# Altium PCB ALCT_MEZ_LX100.PcbDoc (part 4 of 10) (continued)
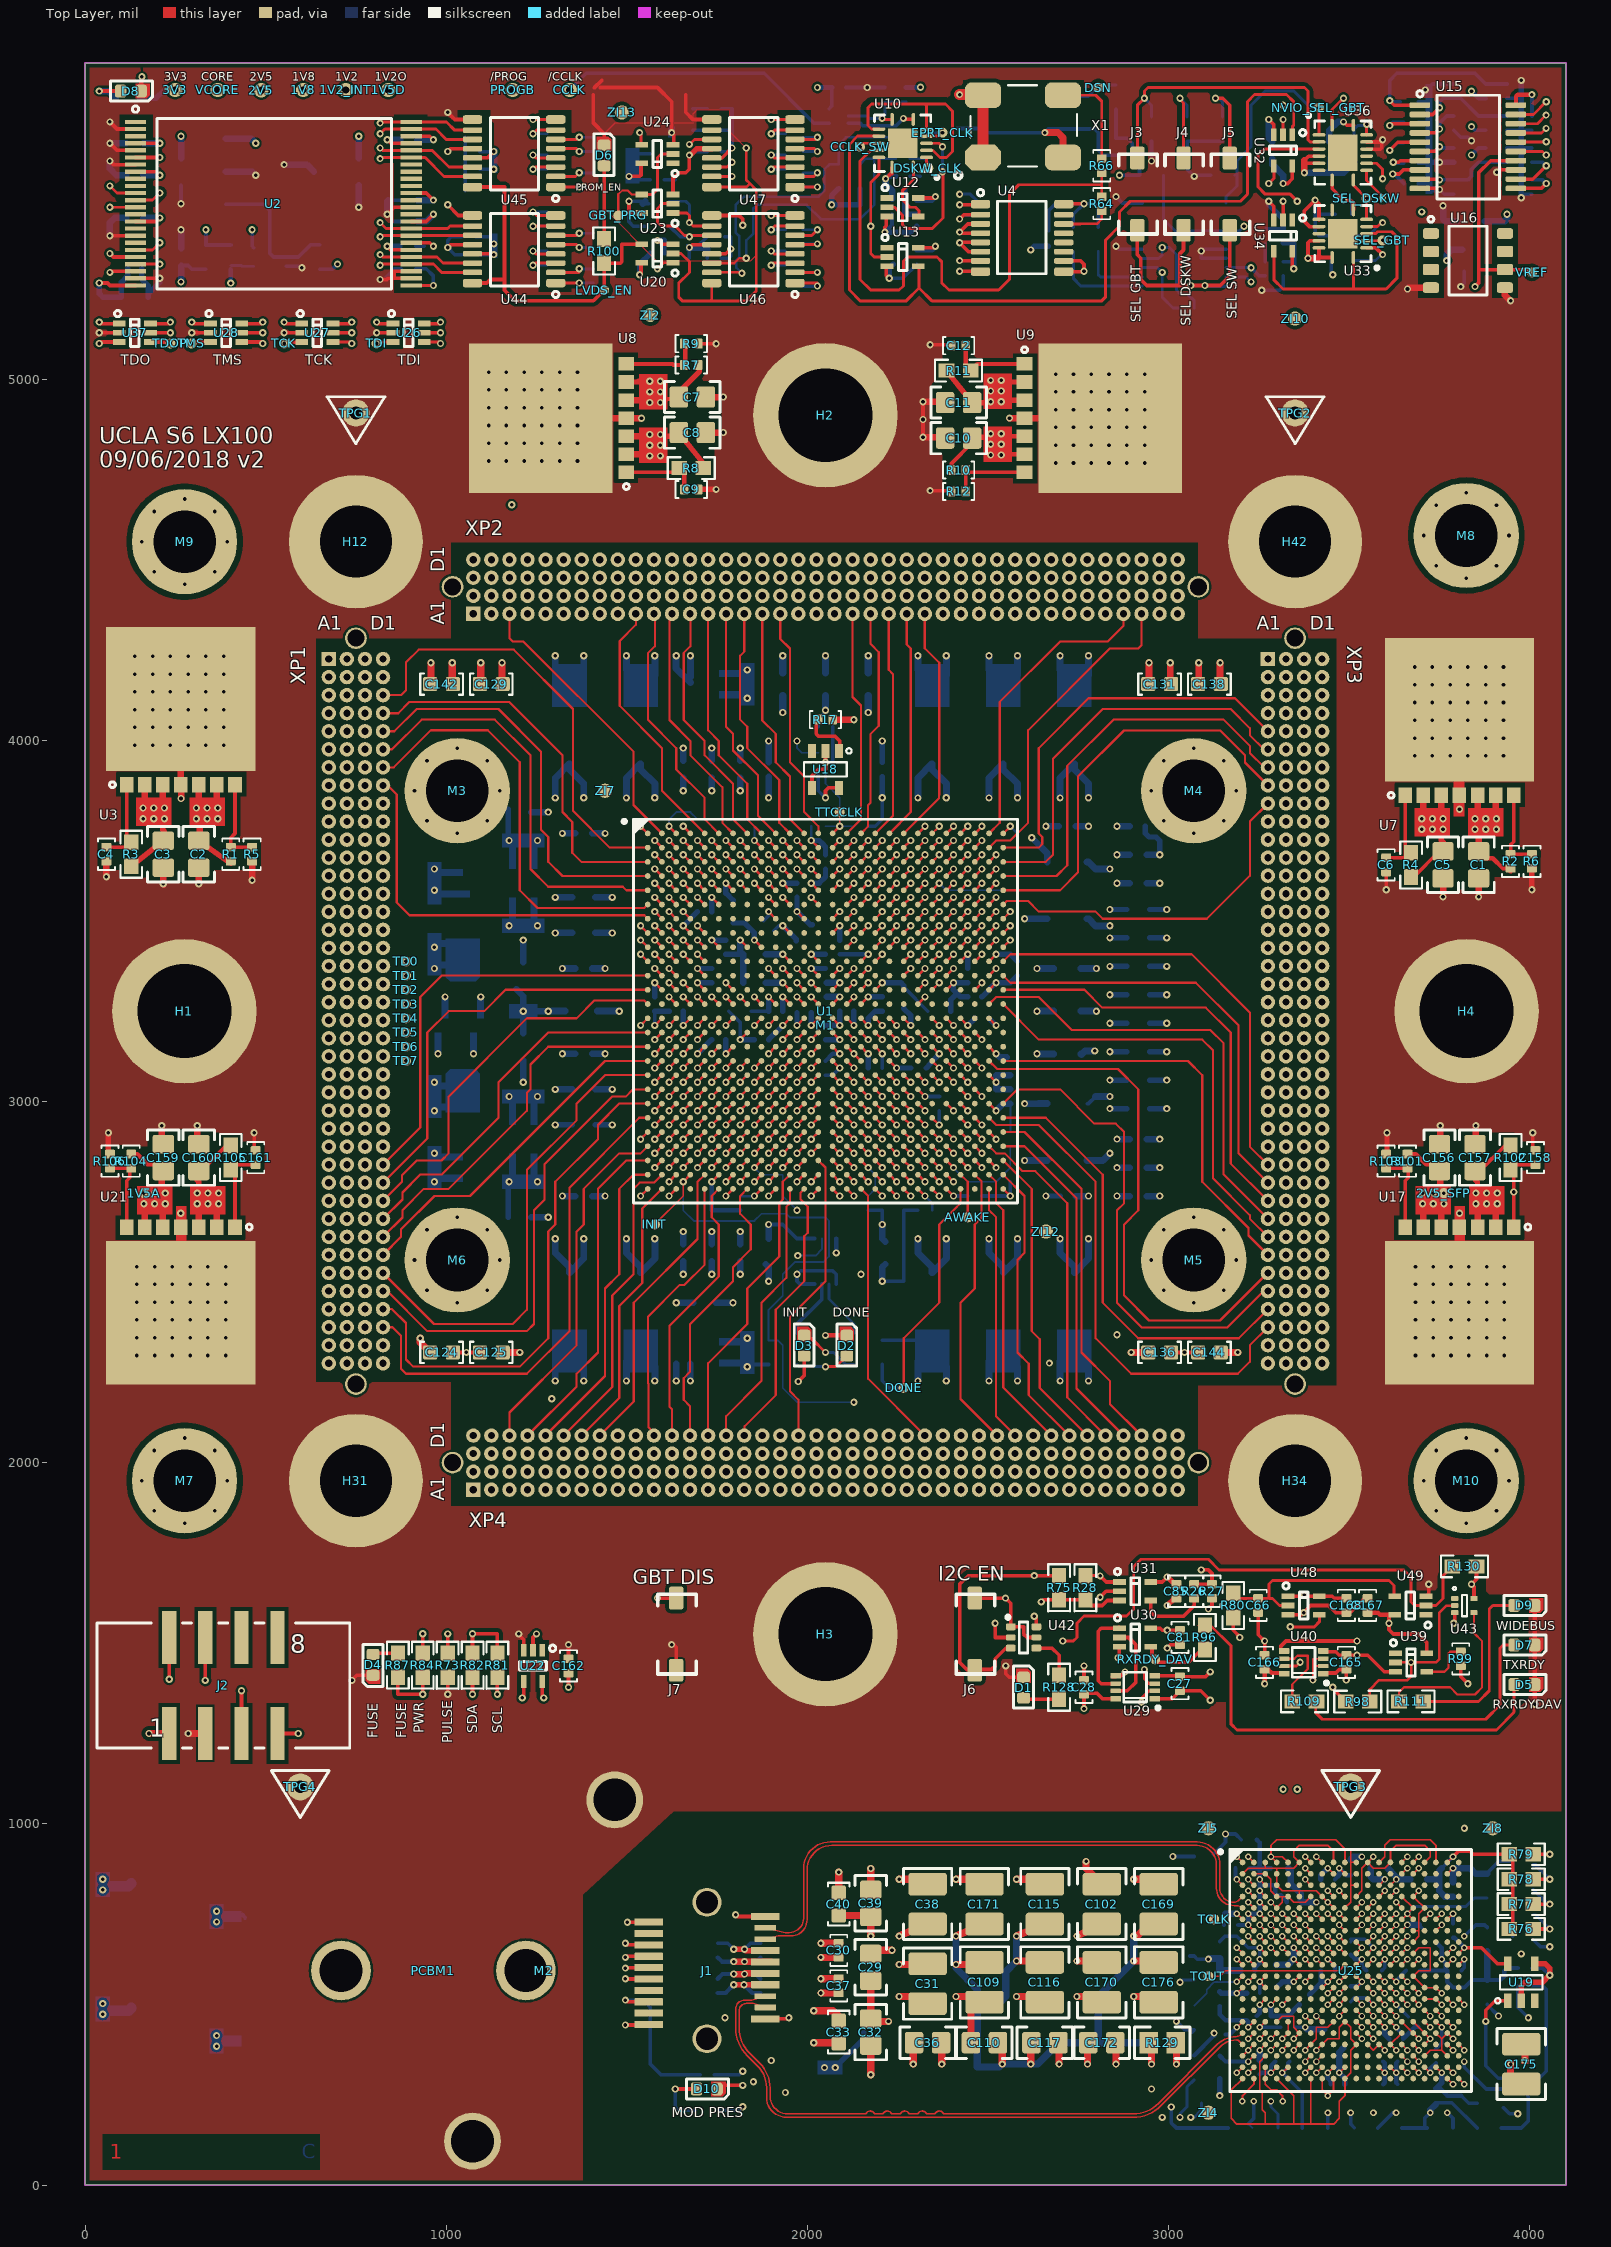
[diagram p0: Top Layer view]
## Nets (pads, with @x,y where several pads share a name; then routed paths per layer and width w, separated by ;. In a path a pad name is that pad's centre, name@x,y a point inside that pad or via, vN(x,y) a via of type N, cw(c..) or ccw(c..) an arc to the next point about the centre after c; other vN are vias at no path point) (continued)
  Top Layer w5: v2@3204.72,231.69 3204.72,247.44 3236.22,278.94 U25.Y2@3236.22,294.69 ; U25.Y3@3267.72,294.69 3267.72,278.94 3283.46,263.19 3299.21,263.19 3314.96,247.44 v7@3314.96,231.69 ; v2(3283.46,751.38) U25.F4@3299.21,735.63 ; U25.A6@3362.2,893.11 3346.46,908.86 3346.46,924.61 3362.2,940.35 3440.95,940.35 3456.69,924.61 U25.A9@3456.69,893.11 ; v2(3377.95,719.88) U25.G7@3393.7,704.13 ; U25.Y8@3425.2,294.69 3425.2,263.19 v2(3440.95,247.44) 3456.69,263.19 U25.Y9@3456.69,294.69 ; U25.R11@3519.69,452.17 v2(3535.43,436.42) ; U25.U12@3551.18,389.17 3566.93,373.43 U25.U13@3582.68,389.17 v2(3598.43,373.43) ; U25.P12@3551.18,483.66 v2(3566.93,467.91) ; U25.A14@3614.17,893.11 3614.17,924.61 3629.92,940.35 3708.66,940.35 3724.41,924.61 3724.41,908.86 U25.A17@3708.66,893.11 ; U25.R15@3645.67,452.17 U25.T16@3677.17,420.67 v2(3692.91,404.92) ; U25.N15@3645.67,515.16 v2(3661.42,499.41)
  Mid-Layer 2 w5: v2(3440.95,247.44) 3472.44,247.44 v2(3598.43,373.43) ; v2(3661.42,499.41) 3692.91,467.91 v2(3755.91,530.91) ; v2(3692.91,404.92) 3724.41,373.43 3755.91,373.43 v2(3787.4,404.92)
  Mid-Layer 4 w4: v2(3314.96,404.92) 3330.71,389.17 3330.71,341.93 ; v2(3377.95,373.43) 3346.46,341.93 3330.71,341.93 ; v2(3377.95,719.88) 3425.2,719.88 3425.2,767.13 v2(3440.95,782.87) ; v2(3440.95,247.44) 3409.45,278.94 3362.2,278.94 3330.71,310.43 3330.71,341.93
  Mid-Layer 4 w5: v2(3598.43,373.43) 3661.42,436.42 ; v2(3661.42,499.41) 3661.42,436.42 ; v2(3661.42,751.38) 3677.17,751.38 3724.41,704.13 3724.41,562.4 v2(3755.91,530.91) ; v2(3692.91,404.92) 3661.42,436.42
  Mid-Layer 4 w15: v7@3314.96,231.69 3425.2,231.69 v2(3440.95,247.44)
  Mid-Layer 6 w4: v2(3283.46,751.38) 3314.96,782.87 3314.96,814.37 ; 3314.96,877.36 3314.96,893.11 ; v2(3440.95,782.87) 3409.45,814.37 3314.96,814.37 ; v2(3566.93,908.86) 3551.18,924.61 3535.43,940.35 3330.71,940.35 3314.96,924.61 3314.96,893.11 ; 3314.96,814.37 3314.96,893.11
  Mid-Layer 8 w4: v2(3566.93,908.86) 3582.68,908.86 3614.17,877.36 3614.17,735.63 3645.67,735.63 v2(3661.42,751.38)
  Mid-Layer 10 w5: v2(3566.93,467.91) v2(3535.43,436.42) 3519.69,436.42 3503.94,420.67 3503.94,389.17 3519.69,373.43 3535.43,373.43 v2(3598.43,373.43)
  Mid-Layer 10 w15: v2@3204.72,231.69 3204.72,247.44 3220.47,263.19 3299.21,263.19 3314.96,247.44 v7@3314.96,231.69
  Bottom Layer w8: v2(3661.42,751.38) 3681.1,771.06 3822.83,771.06 3846.46,794.69 R52.2@3881.89,794.69
  other v2: 3203.72,231.69
  other v7: 3315.96,231.69
DONE: DONE.1 R32.2 U1.AF23 U2.13 U31.2 U41.2 | length 11980.5
  Top Layer w5: 2414.17,2708.66 2424.02,2718.5 U1.AF23@2424.02,2757.87
  Top Layer w6: v1(2266.54,2206.69) 2266.54,2344.49 2364.96,2442.91 2364.96,2659.45 2414.17,2708.66
  Top Layer w8: v1(68.9,5475.79) U2.13@139.76,5475.79
  Top Layer w10: v1(2810.32,1627.36) 2826.85,1643.9 U31.2@2862.2,1643.9
  Mid-Layer 6 w5: v3(1972.95,2573.25) 1951.57,2551.88 1951.57,2216.54 1981.1,2187.01 2168.11,2187.01 2200,2155.12 2200,1855.32 2411.42,1643.9 2793.78,1643.9 v1(2810.32,1627.36) 2837.8,1627.36 2864.17,1653.74 2864.17,1732.48 2834.65,1762.01 2598.43,1762.01 2500,1860.43 2500,2130.71 2463.39,2167.32 2286.22,2167.32 2266.54,2187.01 v1(2266.54,2206.69)
  Mid-Layer 8 w5: v1(68.9,5475.79) 91.73,5475.79 108.27,5492.32 108.27,5738.39 216.34,5846.46 1246.96,5846.46 1250,5849.5 3294.4,5849.5 3316.93,5826.97 v1(3316.93,5758.07) 2657.48,5758.07 2598.43,5699.02 2598.43,4567.13 2568.9,4537.6 2012.6,4537.6 2000,4525 2000,4028.35 2030.32,3998.03 2030.32,3742.13 2050,3722.44 2050,3269.69 2030.32,3250 1971.26,3250 1951.57,3230.32 1951.57,3072.83 2030.32,3072.83 2030.32,2630.62 v3(1972.95,2573.25)
  Bottom Layer w5: v3(1972.95,2573.25) 2022.86,2573.25 2040.16,2590.55 U41.2@2040.16,2620.47
  Bottom Layer w10: R32.2@2207.48,2271.65 2207.48,2226.38 2227.17,2206.69 v1(2266.54,2206.69)
DONE2: R35.1 U41.7 | length 164.8
  Bottom Layer w10: R35.1@1971.26,2358.27 1971.26,2383.86 2040.16,2452.76 U41.7@2040.16,2494.49
DONE_LED: D2.A R35.2 | length 152.5
  Top Layer w8: v1(2050,2265.75) 2079.53,2265.75 D2.A@2109.06,2295.28
  Bottom Layer w8: R35.2@1971.26,2271.65 1977.17,2265.75 v1(2050,2265.75)
dout_busy: U1.AF24
efuse_power: J2.2 R84.2 R87.1 U25.P14 | length 7075.2
  Top Layer w5: U25.P14@3614.17,483.66 v2(3629.92,467.91)
  Top Layer w10: v1@233.07,1400.98 J2.2@233.07,1515.95 ; R87.1@866.14,1405.71 866.14,1358.46 v1(935.04,1358.46) R84.2@935.04,1405.71
  Mid-Layer 4 w10: v1(233.07,1400.39) 264.57,1368.9 383.86,1368.9 415.35,1400.39 519.69,1400.39 561.02,1359.06 934.45,1359.06 v1(935.04,1358.46)
  Mid-Layer 6 w5: 3692.91,467.91 3724.41,499.41
  Mid-Layer 6 w15: v1(935.04,1358.46) 935.04,1131.95 816.87,1013.78 265.69,1013.78 196.85,944.94 196.85,414.17 295.28,315.75 1269.68,315.75 1466.54,118.9 3523.62,118.9 3535.43,130.71 3535.43,215.94 3551.18,231.69 3834.65,231.69 3850.39,247.44 3850.39,530.91 3826.9,554.4 3732.16,554.4 3724.41,546.65 3724.41,499.41 ; v2(3629.92,467.91) 3692.91,467.91
efuse_pulse: J2.4 R73.1 U25.P11 | length 5613.1
  Top Layer w5: U25.P11@3519.69,483.66 v2(3535.43,467.91)
  Top Layer w8: R73.1@1003.94,1472.64 v1(1003.94,1525.79)
  Top Layer w10: v1@333.07,1397.58 J2.4@333.07,1515.95 ; R73.1@1003.94,1478.54 v1(1003.94,1525.79)
  Mid-Layer 2 w5: v1(1003.94,1525.79) 1003.94,1466.73 1064.68,1405.99 1153.26,1405.99 1171.26,1387.99 1171.26,1338.78 1247.05,1262.99 3294.09,1262.99 3415.35,1141.73 3415.35,984.45 3427.95,971.85 3803.15,971.85 v3(3818.9,987.6)
  Mid-Layer 4 w5: v2(3535.43,467.91) 3519.69,467.91 3503.94,452.17 3503.94,263.19 3519.69,247.44 3834.65,247.44 3850.39,263.19 ; v3(3818.9,987.6) 3897.64,908.86 3897.64,571.65 3937.01,532.28 3937.01,350.46 3928.85,342.3 3928.85,341.65 3850.39,263.19 ; 3842.52,255.31 3850.39,263.19
  Mid-Layer 4 w10: v1(333.07,1396.99) 333.07,1455.91 354.33,1477.17 955.32,1477.17 v1(1003.94,1525.79)
elink0_n: U1.AA19 U25.U5 | length 4058.8
  Top Layer w5: v2(3314.96,373.43) U25.U5@3330.71,389.17
  Top Layer w7: U1.AA19@2266.54,2954.72 v1(2286.22,2935.04)
  Mid-Layer 6 w3.5: v1(2286.22,2935.04) 2305.91,2915.35 2305.91,2718.5 2357.78,2666.63 2367.62,2666.63 2457.73,2576.52 2772.69,2576.52 2993.88,2355.33 3045.1,2355.33 3075.63,2324.8 3100.49,2324.8 3198.17,2227.12 3198.17,2178.05 3260.08,2116.14 3464.76,2116.14 3533.46,2047.44 3533.46,1929.13 3533.46,1851.72 3518.46,1851.72 3518.46,1823.22 3533.46,1823.22 3533.46,1794.72 3518.46,1794.72 3518.46,1766.22 3533.46,1766.22 3533.46,1751.97 3533.46,1722.64 3432.38,1621.56 3432.38,1589.88 3324.05,1481.56 3324.05,1466.54 3324.05,1438.33 3314.05,1438.33 3314.05,1409.83 3324.05,1409.83 3324.05,1381.33 3314.05,1381.33 3314.05,1352.83 3324.05,1352.83 3324.05,1338.58 3324.05,1268.87 ccw(c3330.3,1268.87) 3330.3,1262.62 3399.05,1262.62 3399.05,1234.12 3330.3,1234.12 ccw(c3330.3,1227.87) 3324.05,1227.87 3324.05,1201.22 3218.54,1095.71 3218.54,987.6 3146.95,916 3146.95,910.89 3146.95,479.96 3164.11,462.8 3314.96,462.8 3330.71,447.05 3330.71,389.17 v2(3314.96,373.43)
elink0_p: U1.Y18 U25.U6 | length 4075.5
  Top Layer w5: v2(3346.46,373.43) U25.U6@3362.2,389.17
  Top Layer w7: U1.Y18@2227.17,2994.09 v1(2246.85,2974.41)
  Mid-Layer 6 w3.5: v1(2246.85,2974.41) 2266.54,2954.72 2345.28,2954.72 2345.28,2696.81 2362.95,2679.13 2372.8,2679.13 2462.91,2589.02 2777.87,2589.02 2999.06,2367.83 3050.28,2367.83 3080.81,2337.3 3105.67,2337.3 3210.67,2232.3 3210.67,2183.23 3265.26,2128.64 3469.94,2128.64 3545.96,2052.62 3545.96,1717.46 3444.88,1616.38 3444.88,1584.71 3336.55,1476.38 3336.55,1275.12 3405.3,1275.12 cw(c3405.3,1268.87) 3411.55,1268.87 3411.55,1227.87 cw(c3405.3,1227.87) 3405.3,1221.62 3336.55,1221.62 3336.55,1196.04 3231.04,1090.53 3231.04,982.42 3159.45,910.83 3159.45,485.14 3169.29,475.3 3323.33,475.3 3362.2,436.42 3362.2,389.17 v2(3346.46,373.43)
elink1_n: U1.AF18 U25.T12 | length 3749.9
  Top Layer w5: U25.T12@3551.18,420.67 v2(3566.93,404.92)
  Top Layer w7: U1.AF18@2227.17,2757.87 v1(2246.85,2738.19)
  Mid-Layer 8 w3.5: v1(2246.85,2738.19) 2250.6,2734.44 2250.6,2729.26 2254.04,2725.83 2254.04,2614.9 2300.73,2568.21 2470.71,2568.21 2832.22,2206.69 3083.89,2206.69 3186.32,2104.26 3186.32,1863.09 3282.93,1766.48 3346.03,1766.48 3452,1766.48 3509.53,1708.95 ccw(c3513.95,1713.37) 3518.37,1708.95 3566.99,1757.56 3587.14,1737.41 3485.5,1635.78 ; 3485.49,1635.76 ccw(c3489.91,1631.34) 3485.49,1626.92 3514.48,1597.93 ccw(c3518.9,1602.35) 3523.32,1597.93 ; 3523.33,1597.95 3571.94,1646.55 3631.83,1586.65 3631.83,1564.96 3631.83,1550.71 3631.83,1522.21 3620.8,1522.21 3620.8,1493.71 3631.83,1493.71 3631.83,1466.54 3631.83,1412.66 3612.14,1392.97 3612.14,1066.24 3499.44,953.53 3499.44,409.42 3519.69,389.17 3551.18,389.17 v2(3566.93,404.92)
elink1_p: U1.AD18 U25.T11 | length 3751.2
  Top Layer w5: U25.T11@3519.69,420.67 v2(3535.43,404.92)
  Top Layer w7: U1.AD18@2227.17,2836.61 v1(2246.85,2816.93)
  Mid-Layer 8 w3.5: v1(2246.85,2816.93) 2266.54,2797.24 2266.54,2620.08 2305.91,2580.71 2481.06,2580.71 2692.42,2369.35 2692.42,2364.17 2837.4,2219.19 3089.06,2219.19 3198.82,2109.44 3198.82,1868.27 3288.11,1778.98 3346.03,1778.98 3457.18,1778.98 3513.95,1722.21 3562.57,1770.82 cw(c3566.99,1766.4) 3571.41,1770.82 3600.38,1741.84 cw(c3595.98,1737.41) 3602.23,1737.41 cw(c3595.98,1737.41) 3600.4,1732.99 3498.75,1631.34 3518.9,1611.19 3567.52,1659.81 cw(c3571.94,1655.39) 3576.36,1659.81 ; v2(3535.43,404.92) 3527.68,404.92 3511.94,420.67 3511.94,948.35 3624.64,1061.06 3624.64,1387.8 3644.33,1407.48 3644.33,1591.83 3576.37,1659.79
elink2_n: U1.AD17 U25.D10 | length 3905.3
  Top Layer w5: v2(3472.44,814.37) U25.D10@3488.19,798.62
  Top Layer w7: U1.AD17@2187.8,2836.61 v1(2207.48,2816.93)
  Mid-Layer 10 w3.5: v1(2207.48,2816.93) 2187.8,2797.24 2187.8,2639.76 2197.64,2629.92 2256.69,2629.92 2280.04,2653.27 2528.62,2653.27 2561.81,2620.08 2561.81,2541.34 2889.33,2213.82 3066.49,2213.82 3198.82,2081.5 3198.82,1830.03 3223.49,1805.36 ; 3222.92,1804.79 3247.03,1780.69 3250.69,1777.03 3250.69,1737.52 3347.03,1737.52 3350.69,1733.86 3350.69,1692.69 3347.03,1689.02 3202.25,1689.02 3202.25,1665.52 3347.03,1665.52 3350.69,1661.86 3350.69,1620.69 3347.03,1617.02 3250.69,1617.02 3250.69,1599.86 3309.74,1540.81 3309.74,1492.48 3343.27,1492.48 3346.94,1488.82 3346.94,1454.2 ; 3346.92,1454.19 3346.92,1447.63 3343.27,1443.98 3209.74,1443.98 3209.74,1420.48 3306.08,1420.48 3309.74,1416.82 3309.74,1387.8 3309.74,1373.55 3324.74,1373.55 3324.74,1345.05 3309.74,1345.05 3309.74,1327.73 3309.74,1238.64 3321.88,1226.51 3390,1294.63 3395.18,1294.63 3424.3,1265.51 3424.3,1260.33 3356.17,1192.21 3425.14,1123.25 3428.8,1119.59 3428.8,1001.68 3456.69,973.78 3456.69,861.61 3472.44,845.87 v2(3472.44,814.37)
elink2_p: U1.AC16 U25.D9 | length 3931.7
  Top Layer w5: v2(3440.95,814.37) U25.D9@3456.69,798.62
  Top Layer w7: U1.AC16@2148.43,2875.98 v1(2168.11,2856.3)
  Mid-Layer 10 w3.5: v1(2168.11,2856.3) 2148.43,2836.61 2148.43,2745.12 2175.05,2718.5 2175.05,2634.84 2192.46,2617.42 2261.87,2617.42 2285.22,2640.77 2523.45,2640.77 2546.72,2617.49 2546.72,2595.8 2549.31,2593.21 2549.31,2536.16 2884.15,2201.32 3061.31,2201.32 3186.32,2076.32 3186.32,1824.85 3189.75,1821.42 3189.75,1820.29 3208.66,1801.38 3238.19,1771.85 3238.19,1728.69 3241.85,1725.02 3338.19,1725.02 3338.19,1701.52 3193.41,1701.52 3189.75,1697.86 3189.75,1656.69 3193.41,1653.02 3338.19,1653.02 3338.19,1629.52 3241.85,1629.52 3238.19,1625.86 3238.19,1594.69 3297.24,1535.63 3297.24,1483.64 3300.91,1479.98 3334.44,1479.98 3334.44,1459.38 3334.42,1456.48 3200.91,1456.48 3197.24,1452.82 3197.24,1411.64 3200.91,1407.98 3297.24,1407.98 3297.24,1233.46 3319.29,1211.42 3324.47,1211.42 3392.59,1279.54 3409.21,1262.92 3341.09,1194.8 3341.09,1189.62 3416.3,1114.41 3416.3,996.5 3440.95,971.85 3440.95,908.86 3424.7,892.61 3424.7,830.62 v2(3440.95,814.37)
elink3_n: U1.AF15 U25.F8 | length 3854.8
  Top Layer w5: v2(3409.45,751.38) U25.F8@3425.2,735.63
  Top Layer w7: U1.AF15@2109.05,2757.87 v1(2128.74,2738.19)
  Mid-Layer 8 w3.5: v1(2128.74,2738.19) 2128.74,2511.81 2158.27,2482.28 2200.3,2482.28 2241.35,2441.23 2275.65,2406.93 2294.85,2387.73 2308.82,2373.76 2376.94,2441.88 2382.12,2441.88 2411.23,2412.77 2411.23,2407.59 2313.58,2309.93 2330.19,2293.32 2357.14,2320.26 2362.32,2320.26 2381.58,2301 2394.18,2288.4 2410.7,2271.88 2423.29,2259.28 2545.08,2137.5 3047.58,2137.5 3120.08,2065 3132.75,2052.33 3132.75,1918.62 3129.09,1914.96 3061.22,1914.96 3061.22,1891.46 3129.09,1891.46 3132.75,1887.8 3132.75,1846.62 3129.09,1842.96 3032.75,1842.96 3032.75,1819.46 3129.09,1819.46 3132.75,1815.8 3132.75,1658.49 3159.39,1631.85 3169.47,1621.77 3185.03,1637.34 3205.18,1617.19 3189.62,1601.62 3192.83,1598.41 3230.94,1560.3 3230.94,1481.81 3299.69,1481.81 cw(c3299.69,1475.56) 3305.94,1475.56 3305.94,1434.56 cw(c3299.69,1434.56) 3299.69,1428.31 3230.94,1428.31 3230.94,1392.97 3249.27,1374.65 cw(c3244.85,1370.23) 3251.1,1370.23 cw(c3244.85,1370.23) 3249.27,1365.81 3203.85,1320.4 3224,1300.24 3269.42,1345.66 cw(c3273.84,1341.24) 3278.26,1345.66 3398.27,1225.65 3398.27,1029.07 3358.96,989.76 3358.96,833.86 3394.2,798.62 3394.2,766.63 v2(3409.45,751.38)
elink3_p: U1.AE15 U25.F7 | length 3857.4
  Top Layer w5: v2(3377.95,751.38) U25.F7@3393.7,735.63
  Top Layer w7: U1.AE15@2109.05,2797.24 v1(2128.74,2777.56)
  Mid-Layer 8 w3.5: v1(2128.74,2777.56) 2109.99,2758.81 2109.99,2685.38 2116.24,2679.13 2116.24,2506.63 2153.09,2469.78 2195.12,2469.78 2286.01,2378.89 2306.23,2358.67 2311.41,2358.67 2379.53,2426.8 2396.14,2410.18 2298.49,2312.52 2298.49,2307.34 2327.61,2278.23 2332.78,2278.23 2359.73,2305.17 2369.08,2295.82 2389,2275.9 ; 2389,2275.9 2398.2,2266.7 2418.11,2246.78 2539.9,2125 3042.41,2125 3119.97,2047.44 ; 3119.79,2047.26 3120.25,2046.8 3120.25,1927.46 3052.38,1927.46 3048.72,1923.8 3048.72,1882.62 3052.38,1878.96 3120.25,1878.96 3120.25,1855.46 3023.91,1855.46 3020.25,1851.8 3020.25,1810.62 3023.91,1806.96 3120.25,1806.96 3120.25,1653.31 3218.44,1555.12 3218.44,1475.56 ccw(c3224.69,1475.56) 3224.69,1469.31 3293.44,1469.31 3293.44,1440.81 3224.69,1440.81 ccw(c3224.69,1434.56) 3218.44,1434.56 3218.44,1387.8 3236.01,1370.23 3190.6,1324.83 ; 3190.59,1324.82 ccw(c3195.01,1320.4) 3190.59,1315.98 3219.58,1286.99 ccw(c3224,1291.41) 3228.42,1286.99 ; 3228.43,1287 3273.84,1332.4 3385.77,1220.47 3385.77,1034.25 3346.46,994.94 3346.46,828.69 3381.7,793.44 3381.7,761.45 3383.79,759.36 3383.79,757.21 v2(3377.95,751.38)
elink4_n: U1.AD19 U25.G18 | length 4075.6
  Top Layer w5: U25.G18@3740.16,704.13 v2(3755.91,719.88)
  Top Layer w7: U1.AD19@2266.54,2836.61 v1(2286.22,2816.93)
  Mid-Layer 8 w3.5: v1(2286.22,2816.93) 2305.91,2836.61 2542.13,2836.61 2608.37,2770.37 2608.37,2725.99 ; 2608.37,2678.13 2608.37,2725.99 ; v2(3755.91,719.88) 3740.16,735.63 3740.16,798.62 3803.15,861.61 3803.15,940.35 3737.5,1006 3737.5,1077.24 3668.75,1077.24 cw(c3668.75,1083.49) 3662.5,1083.49 3662.5,1124.49 cw(c3668.75,1124.49) 3668.75,1130.74 3812.5,1130.74 3812.5,1159.24 3668.75,1159.24 cw(c3668.75,1165.49) 3662.5,1165.49 3662.5,1206.49 cw(c3668.75,1206.49) 3668.75,1212.74 3812.5,1212.74 3812.5,1241.24 3668.75,1241.24 cw(c3668.75,1247.49) 3662.5,1247.49 3662.5,1288.49 cw(c3668.75,1288.49) 3668.75,1294.74 3737.5,1294.74 3737.5,1353.09 3737.66,1353.25 3737.66,1754.4 3619.33,1872.74 3619.33,2031.51 3544.54,2106.3 3233.3,2106.3 3105.62,2233.97 3105.62,2253.25 3093.22,2265.66 2878.87,2265.66 2608.37,2536.16 2608.37,2659.45 2608.37,2725.99
elink4_p: U1.AC19 U25.F18 | length 4020.3
  Top Layer w5: U25.F18@3740.16,735.63 v2(3755.91,751.38)
  Top Layer w7: U1.AC19@2266.54,2875.98 v1(2286.22,2856.3)
  Mid-Layer 8 w3.5: v1(2286.22,2856.3) 2305.91,2875.98 2502.76,2875.98 2525.97,2852.78 2543.64,2852.78 2620.87,2775.55 2620.87,2541.34 2884.05,2278.16 3098.49,2278.16 3118.12,2258.52 3118.12,2239.15 3238.48,2118.8 3549.72,2118.8 3558.27,2110.25 3631.83,2036.69 3631.83,1877.91 3750.16,1759.58 3750.16,1348.07 3750,1347.91 3750,1288.49 cw(c3743.75,1288.49) 3743.75,1282.24 3675,1282.24 3675,1253.74 3818.75,1253.74 cw(c3818.75,1247.49) 3825,1247.49 3825,1206.49 cw(c3818.75,1206.49) 3818.75,1200.24 3675,1200.24 3675,1171.74 3818.75,1171.74 cw(c3818.75,1165.49) 3825,1165.49 3825,1124.49 cw(c3818.75,1124.49) 3818.75,1118.24 3675,1118.24 3675,1089.74 3743.75,1089.74 cw(c3743.75,1083.49) 3750,1083.49 3750,1011.18 3815.65,945.53 3815.65,856.44 3755.91,796.69 v2(3755.91,751.38)
elink5_n: U1.AF19 U25.E11 | length 3825.5
  Top Layer w5: U25.E11@3519.69,767.13 v2(3535.43,782.87)
  Top Layer w7: U1.AF19@2266.54,2757.87 v1(2286.22,2738.19)
  Mid-Layer 10 w3.5: v1(2286.22,2738.19) 2286.22,2713.33 2300.73,2698.82 2571.65,2698.82 2618.21,2652.26 2618.21,2536.16 2925.05,2229.32 3090.36,2229.32 3203.35,2116.34 3435.04,2116.34 3497.75,2053.63 3497.75,2014.03 3499.75,2012.03 3499.75,1887.97 3497.75,1885.97 3497.75,1731.58 3501.41,1727.92 3597.75,1727.92 3597.75,1704.42 3401.41,1704.42 3397.75,1700.75 3397.75,1659.58 3401.41,1655.92 3597.75,1655.92 3597.75,1632.42 3501.41,1632.42 3497.75,1628.75 3497.75,1581.19 3609.55,1469.39 3609.55,1349.78 3513.21,1349.78 3509.55,1346.12 3509.55,1304.94 3513.21,1301.28 3609.55,1301.28 3609.55,1259.84 3609.55,1245.59 3609.55,1217.09 3594.55,1217.09 3594.55,1188.59 3609.55,1188.59 3609.55,1160.09 3609.55,1151.57 3609.55,1068.37 3497.75,956.57 3497.75,850.12 3535.43,812.44 v2(3535.43,782.87)
elink5_p: U1.AE19 U25.E12 | length 3842.4
  Top Layer w5: U25.E12@3551.18,767.13 v2(3566.93,782.87)
  Top Layer w7: U1.AE19@2266.54,2797.24 v1(2286.22,2777.56)
  Mid-Layer 10 w3.5: v1(2286.22,2777.56) 2305.91,2757.87 2305.91,2718.5 2313.09,2711.32 2576.83,2711.32 2630.71,2657.44 2630.71,2541.34 2930.22,2241.82 3095.54,2241.82 3208.52,2128.84 3440.22,2128.84 3510.25,2058.81 3510.25,2019.21 3512.25,2017.21 3512.25,1882.79 3510.25,1880.79 3510.25,1740.42 3606.59,1740.42 3610.25,1736.75 3610.25,1695.58 3606.59,1691.92 3410.25,1691.92 3410.25,1668.42 3606.59,1668.42 3610.25,1664.75 3610.25,1623.58 3606.59,1619.92 3510.25,1619.92 3510.25,1586.36 3622.05,1474.57 3622.05,1340.94 3618.39,1337.28 3522.05,1337.28 3522.05,1313.78 3618.39,1313.78 3622.05,1310.12 3622.05,1063.19 3510.25,951.39 3510.25,855.3 3563.68,801.87 v2@3563.68,782.87
elink6_n: U1.W16 U25.R17 | length 4469.1
  Top Layer w5: U25.R17@3708.66,452.17 v2(3724.41,436.42)
  Top Layer w7: U1.W16@2148.43,3033.46 v1(2168.11,3013.78)
  Mid-Layer 8 w3.5: v1(2168.11,3013.78) 2187.8,3033.46 2532.28,3033.46 2551.97,3053.15 2674.74,3053.15 2699.61,3053.15 2758.66,2994.09 2758.66,2868.15 2824.9,2801.91 2824.9,2467.26 2940.49,2351.67 3184.55,2351.67 3213.58,2322.64 3213.58,2245.91 3292.24,2167.25 3925.21,2167.25 4013.03,2079.43 4013.03,1698.09 3971.34,1656.4 3971.34,1479.53 3971.34,918.5 3971.34,684.13 3833.86,546.65 3724.41,546.65 3708.66,530.91 3708.66,452.17 v2(3724.41,436.42)
elink6_p: U1.V15 U25.P17 | length 4469.7
  Top Layer w5: U25.P17@3708.66,483.66 v2(3724.41,467.91)
  Top Layer w7: U1.V15@2109.05,3072.83 v1(2128.74,3053.15)
  Mid-Layer 8 w3.5: v1(2128.74,3053.15) 2148.43,3072.83 2699.61,3072.83 2771.16,3001.28 2771.16,2873.33 2837.4,2807.09 2837.4,2472.44 2945.67,2364.17 3189.73,2364.17 3226.08,2327.82 3226.08,2251.08 3297.42,2179.75 3930.39,2179.75 4025.53,2084.61 4025.53,1692.91 3983.84,1651.22 3983.84,1484.71 3983.84,918.5 3983.84,676.95 3837.8,530.91 3787.4,530.91 3771.65,515.16 3740.16,515.16 3724.41,499.41 v2(3724.41,467.91)
elink7_n: U1.AA17 U25.K15 | length 4598.2
  Top Layer w5: U25.K15@3645.67,609.65 v2(3661.42,625.39)
  Top Layer w7: U1.AA17@2187.8,2954.72 v1(2207.48,2935.04)
  Mid-Layer 8 w3.5: v1(2207.48,2935.04) 2227.17,2954.72 2571.65,2954.72 2601.18,2925.2 2677.26,2925.2 2726.48,2875.98 2726.48,2614.9 2765.85,2575.53 2765.85,2475.1 2918.8,2322.15 3036.73,2322.15 3036.95,2322.37 3051.24,2322.37 3051.46,2322.15 3099.33,2322.15 3163.89,2257.59 3163.89,2223.79 3251.85,2135.83 3907.42,2135.83 3976.32,2066.93 3976.32,1978.35 3976.32,1969.83 3961.32,1969.83 3961.32,1941.33 3976.32,1941.33 3976.32,1912.83 3961.32,1912.83 3961.32,1884.33 3976.32,1884.33 3976.32,1870.08 3976.32,1752.11 3917.32,1693.11 3917.32,1539.93 3826.43,1539.93 3822.77,1536.27 3822.77,1495.09 3826.43,1491.43 3931.89,1491.43 3931.89,1467.93 3826.43,1467.93 3822.77,1464.27 3822.77,1423.09 3826.43,1419.43 3917.32,1419.43 3917.32,676.58 3840.9,600.15 3686.66,600.15 v2(3661.42,625.39)
elink7_p: U1.Y16 U25.L15 | length 4630.1
  Top Layer w5: U25.L15@3645.67,578.15 v2(3661.42,562.4)
  Top Layer w7: U1.Y16@2148.43,2994.09 v1(2168.11,2974.41)
  Mid-Layer 8 w3.5: v1(2168.11,2974.41) 2187.8,2994.09 2551.97,2994.09 2608.37,2937.7 2682.44,2937.7 2738.98,2881.16 2738.98,2620.08 2778.35,2580.71 2778.35,2480.28 2923.98,2334.65 3031.55,2334.65 3031.77,2334.87 3056.42,2334.87 3056.64,2334.65 3104.51,2334.65 3176.39,2262.77 3176.39,2228.97 3257.03,2148.33 3912.6,2148.33 3988.82,2072.11 3988.82,1746.93 3985.16,1743.27 3929.82,1687.93 3929.82,1531.09 3926.16,1527.43 3835.27,1527.43 3835.27,1503.93 3940.73,1503.93 3944.39,1500.27 3944.39,1459.09 3940.73,1455.43 3835.27,1455.43 3835.27,1431.93 3926.16,1431.93 3929.82,1428.27 3929.82,1419.43 3929.82,671.4 3846.07,587.65 3686.66,587.65 v2(3661.42,562.4)
elink8_n: U1.AD15 U25.U16 | length 4499.9
  Top Layer w5: U25.U16@3677.17,389.17 v2(3692.91,373.43)
  Top Layer w7: U1.AD15@2109.05,2836.61 v1(2128.74,2816.93)
  Mid-Layer 6 w3.5: v1(2128.74,2816.93) 2109.06,2797.24 2109.06,2703.18 2121.56,2690.68 2121.56,2519 2303.25,2337.3 2773.68,2337.3 2943.66,2167.32 3008.03,2167.32 3132.75,2042.61 3132.75,1934.17 2913.39,1714.8 2913.39,1349.17 2907.83,1343.61 2907.83,1329.32 2913.39,1323.77 2913.39,1004.13 2945.57,971.95 2945.57,472.64 2923.23,450.3 2923.23,347.39 2923.45,347.17 2923.45,322.52 2923.23,322.3 2923.23,187.2 2941.73,168.7 3188.98,168.7 3321.7,168.7 3321.7,173.97 3335.2,173.97 3335.2,168.7 3348.7,168.7 3348.7,173.97 3362.2,173.97 3362.2,168.7 3375.7,168.7 3375.7,173.97 3389.2,173.97 3389.2,168.7 3402.7,168.7 3409.45,168.7 3444.88,168.7 3472.44,196.26 3472.44,236.87 3538.68,303.11 3538.68,347.11 3580.75,389.17 3677.17,389.17 v2(3692.91,373.43)
elink8_p: U1.AC15 U25.U15 | length 4539.5
  Top Layer w5: U25.U15@3645.67,389.17 v2(3661.42,373.43)
  Top Layer w7: U1.AC15@2109.05,2875.98 v1(2128.74,2856.3)
  Mid-Layer 6 w3.5: v1(2128.74,2856.3) 2109.06,2836.61 2069.69,2836.61 2069.69,2724.87 2109.06,2685.5 2109.06,2513.82 2298.07,2324.8 2768.5,2324.8 2938.48,2154.82 3002.85,2154.82 3120.25,2037.43 3120.25,1939.34 2900.89,1719.98 2900.89,1354.35 2895.33,1348.79 2895.33,1324.14 2900.89,1318.59 2900.89,998.96 2933.07,966.77 2933.07,477.82 2910.73,455.47 2910.73,342.21 2910.95,341.99 2910.95,327.7 2910.73,327.48 2910.73,182.03 2936.55,156.2 3450.06,156.2 3484.94,191.08 3484.94,231.69 3551.18,297.93 3551.18,341.93 3566.93,357.68 3645.67,357.68 v2(3661.42,373.43)
elink9_n: U1.AF21 U25.D14 | length 3987.1
  Top Layer w5: U25.D14@3614.17,798.62 v2(3629.92,814.37)
  Top Layer w7: U1.AF21@2345.28,2757.87 v1(2364.96,2738.19)
  Mid-Layer 6 w3.5: v1(2364.96,2738.19) 2364.96,2720.51 2379.47,2706 2751.48,2706 2817.72,2639.76 2817.72,2610.24 2903.64,2524.31 2903.64,2494.78 2975.2,2423.23 3004.72,2423.23 3034.25,2393.7 3162.2,2393.7 3225.69,2330.22 3225.69,2206.93 3267.07,2165.55 3513.78,2165.55 3627.49,2051.84 3627.49,1693.11 3627.49,1532.14 3631.15,1528.48 3665.13,1528.48 3665.13,1504.98 3542.56,1504.98 3538.9,1501.32 3538.9,1460.14 3542.56,1456.48 3627.49,1456.48 3627.49,1432.98 3572.09,1432.98 3568.43,1429.32 3568.43,1388.14 3572.09,1384.48 3627.49,1384.48 3627.49,1314.73 3531.15,1314.73 3527.49,1311.07 3527.49,1269.89 3531.15,1266.23 3587.34,1266.23 3598.43,1255.15 3598.43,1179.74 3545.7,1179.74 ccw(c3545.7,1173.49) 3539.45,1173.49 3539.45,1132.49 ccw(c3545.7,1132.49) 3545.7,1126.24 3673.43,1126.24 3673.43,1097.74 3604.68,1097.74 ccw(c3604.68,1091.49) 3598.43,1091.49 3598.43,1039.6 3529.68,1039.6 ccw(c3529.68,1033.35) 3523.43,1033.35 3523.43,992.35 ccw(c3529.68,992.35) 3529.68,986.1 3598.43,986.1 3598.43,908.86 3551.18,861.61 3551.18,814.37 3566.43,799.12 3613.68,799.12 3628.93,814.37 v2(3629.92,814.37)
elink9_p: U1.AE21 U25.D13 | length 3984.9
  Top Layer w5: U25.D13@3582.68,798.62 v2(3598.43,814.37)
  Top Layer w7: U1.AE21@2345.28,2797.24 v1(2364.96,2777.56)
  Mid-Layer 6 w3.5: v1(2364.96,2777.56) 2384.65,2757.87 2384.65,2718.5 2756.65,2718.5 2830.22,2644.94 2830.22,2615.41 2916.14,2529.49 2916.14,2499.96 2980.37,2435.73 3009.9,2435.73 3039.43,2406.2 3167.38,2406.2 3238.19,2335.39 3238.19,2212.11 3272.24,2178.05 3518.96,2178.05 3639.99,2057.02 3639.99,1988.39 3639.99,1976.64 3647.54,1976.64 3647.54,1953.14 3639.99,1953.14 3639.99,1771.85 3639.99,1693.11 3639.99,1540.98 3673.97,1540.98 3677.63,1537.32 3677.63,1496.14 3673.97,1492.48 3551.4,1492.48 3551.4,1468.98 3636.33,1468.98 3639.99,1465.32 3639.99,1424.14 3636.33,1420.48 3580.93,1420.48 3580.93,1396.98 3636.33,1396.98 3639.99,1393.32 3639.99,1305.89 3636.33,1302.23 3539.99,1302.23 3539.99,1278.73 3592.52,1278.73 3607.26,1263.99 3610.93,1260.32 3610.93,1173.49 cw(c3604.68,1173.49) 3604.68,1167.24 3551.95,1167.24 3551.95,1138.74 3679.68,1138.74 cw(c3679.68,1132.49) 3685.93,1132.49 3685.93,1091.49 cw(c3679.68,1091.49) 3679.68,1085.24 3610.93,1085.24 3610.93,1033.35 cw(c3604.68,1033.35) 3604.68,1027.1 3535.93,1027.1 3535.93,998.6 3604.68,998.6 cw(c3604.68,992.35) 3610.93,992.35 3610.93,903.68 3563.68,856.44 3563.68,819.55 3568.86,814.37 v2(3598.43,814.37)
elink10_n: U1.AB18 U25.T4 | length 4072.9
  Top Layer w5: v2(3283.46,404.92) U25.T4@3299.21,420.67
  Top Layer w7: U1.AB18@2227.17,2915.35 v1(2246.85,2895.67)
  Mid-Layer 6 w3.5: v1(2246.85,2895.67) 2266.54,2875.98 2266.54,2718.5 2259.35,2711.32 2259.35,2617.42 2362.3,2514.47 2783.52,2514.47 3014.57,2283.43 3022.88,2275.12 3039.49,2258.5 3056.11,2241.88 3059.68,2245.45 3076.3,2228.84 3072.73,2225.27 3089.34,2208.65 3099.95,2219.26 3116.57,2202.64 3105.96,2192.03 3122.58,2175.42 3133.18,2186.02 3149.8,2169.4 3139.19,2158.8 3155.81,2142.18 3166.42,2152.79 3183.04,2136.17 3172.43,2125.56 3189.05,2108.95 3198.82,2099.17 3198.82,1760.1 3218.5,1740.42 3298.59,1740.42 3302.25,1736.75 3302.25,1695.58 3298.59,1691.92 3120.16,1691.92 3120.16,1668.42 3198.59,1668.42 3202.25,1664.75 3202.25,1609.19 3178.13,1585.07 3178.13,1329.94 3091.24,1243.05 3091.24,653.64 3078.05,640.45 3078.05,546.2 3106.99,517.26 3106.99,360.93 3125.98,341.93 3125.98,309.25 3156.3,278.94 3236.22,278.94 3251.97,294.69 3251.97,341.93 3267.72,357.68 3267.72,389.17 v2(3283.46,404.92)
elink10_p: U1.AA18 U25.U4 | length 4052.8
  Top Layer w5: v2(3283.46,373.43) U25.U4@3299.21,389.17
  Top Layer w7: U1.AA18@2227.17,2954.72 v1(2246.85,2935.04)
  Mid-Layer 6 w3.5: v1(2246.85,2935.04) 2227.17,2915.35 2227.17,2708.66 2246.85,2688.98 2246.85,2612.24 2357.13,2501.97 2778.35,2501.97 3092.8,2187.52 3092.8,2186.58 3100.51,2178.87 3101.45,2178.87 3186.32,2094 3186.32,1754.92 3213.33,1727.92 3289.75,1727.92 3289.75,1704.42 3111.32,1704.42 3107.66,1700.75 3107.66,1659.58 3111.32,1655.92 3189.75,1655.92 3189.75,1614.37 3169.29,1593.91 3165.63,1590.25 3165.63,1555.12 3165.63,1538.81 3150.63,1538.81 3150.63,1510.31 3165.63,1510.31 3165.63,1496.06 3165.63,1335.12 3078.74,1248.23 3078.74,658.82 3065.55,645.63 3065.55,541.02 3094.49,512.09 3094.49,355.75 3113.48,336.75 3113.48,304.07 3153.87,263.69 3238.65,263.69 3264.47,289.51 3264.47,336.75 3283.46,355.75 v2(3283.46,373.43)